# Altium PCB CrypTech.PcbDoc (part 3 of 6)
Units mm, origin at the board's own origin, x right, y up, seen from the top; angles counter-clockwise.
Board outline 99.5 x 122 mm, 8 copper layers (Top, Ground Plane 1, Inner Layer 1, 3V3 Plane, Power Plane, Inner Layer 2, Ground Plane 2, Bottom), stack 1.553 mm thick; 385 components, 302 nets, 2103 pads, 1544 vias.
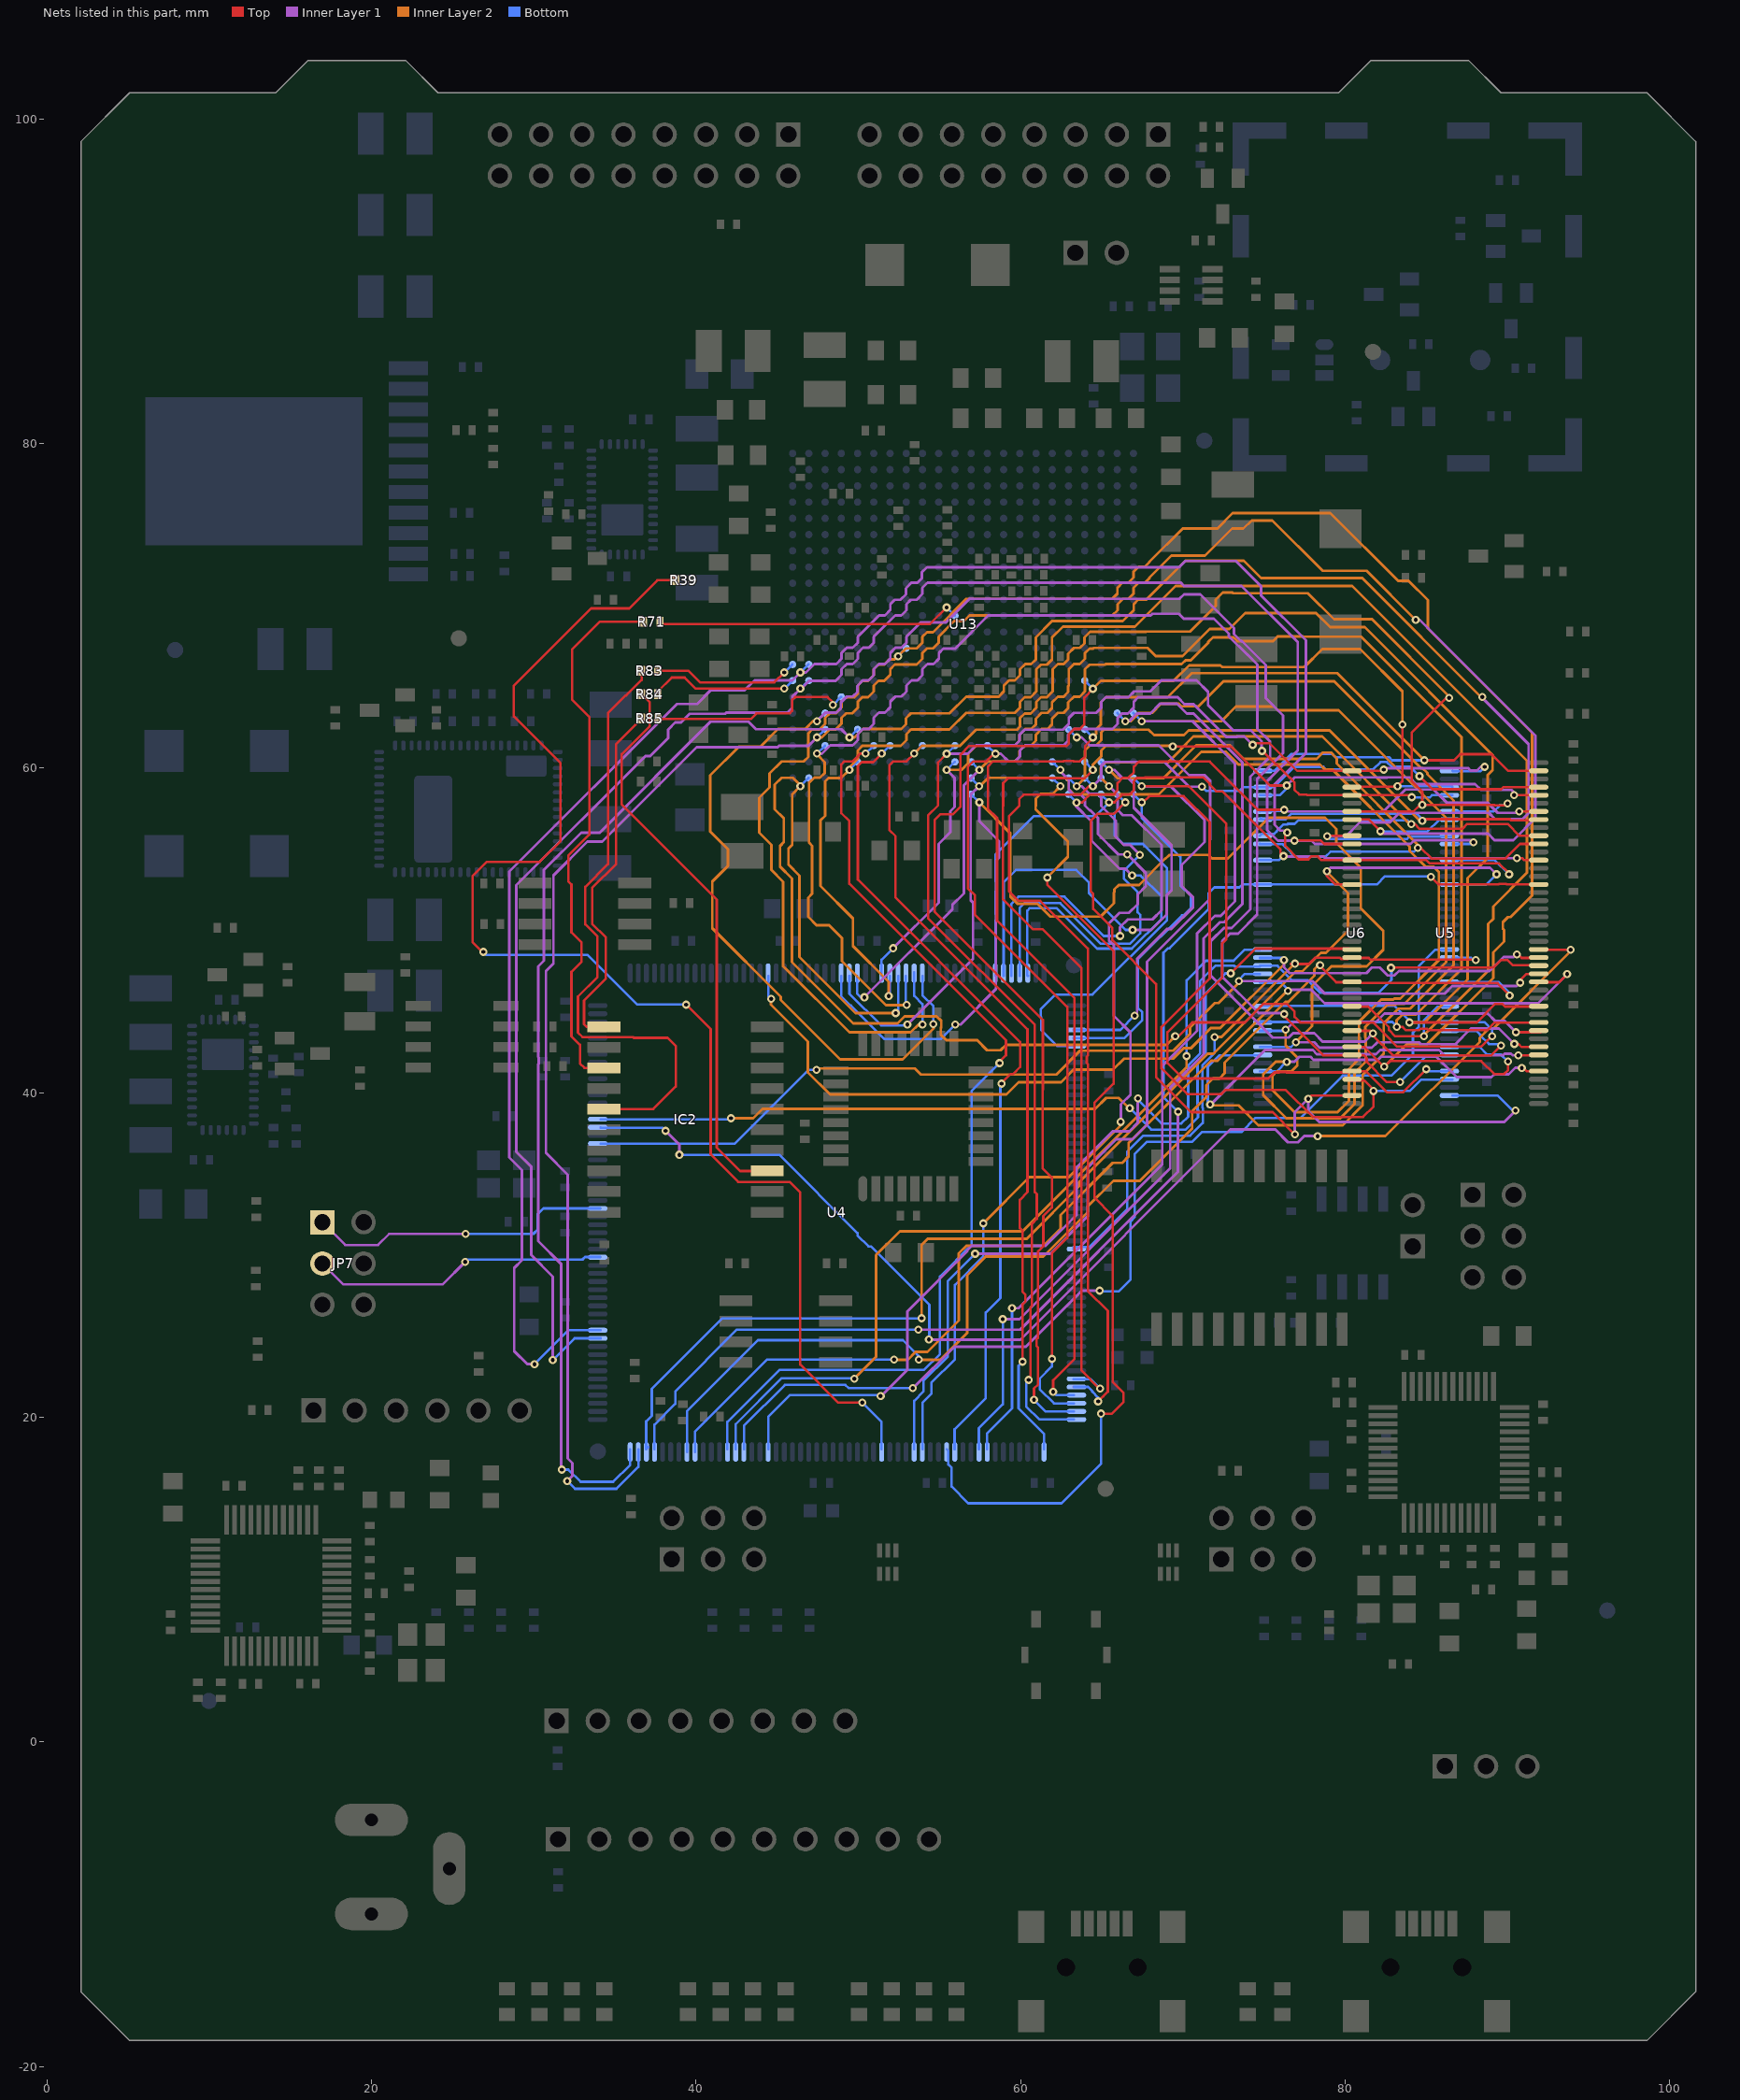
[diagram p9: the nets of this part, all layers, seen from the top]

## Via types
v1: diameter 0.5, hole 0.25, Top to Bottom, tented both sides, 1180 vias
v2: diameter 1, hole 0.5, Top to Bottom, tented both sides, 296 vias
v3: diameter 0.6, hole 0.25, Top to Bottom, tented both sides, 68 vias

## Nets (pads, with @x,y where several pads share a name; then routed paths per layer and width w, separated by ;. In a path a pad name is that pad's centre, name@x,y a point inside that pad or via, vN(x,y) a via of type N, cw(c..) or ccw(c..) an arc to the next point about the centre after c; other vN are vias at no path point) (continued)
FMC_D2: U4.164 U5.5 U6.5 U13.U1 | length 127.5
  Top w0.15: v1(90.879,41.527) 90.998,41.527 91.208,41.317 U5.5@92.1,41.317
  Inner Layer 1 w0.164: v1(59.475,26.725) 59.882,26.725 68.725,35.568 68.725,41.65 70.875,43.8 70.875,49.812 71.963,50.9 72.325,50.9 73.2,51.775 73.2,60.282 70.597,62.885 v1(67.453,62.885) ; v1(76.4,41.9) 76.875,41.9 77.184,42.209 77.866,42.209 78.05,42.025 82.025,42.025 82.209,42.209 85.616,42.209 86.875,40.95 89.018,40.95 89.198,41.13 90.08,41.13 90.475,41.525 90.877,41.525 v1(90.879,41.527)
  Inner Layer 2 w0.164: v1(67.453,62.885) 72.37,62.885 73.267,63.782 75.628,63.782 75.842,63.568 79.589,63.568 86.225,56.932 86.225,48.05 83.662,45.487 83.163,45.487 83.098,45.421 82.601,45.421 81.229,44.05 81.229,43.412 81.275,43.366 81.275,41.9 80.575,41.2 80.575,39.3 79.7,38.425 76.375,38.425 74.95,39.85 74.95,41.125 75.725,41.9 v1(76.4,41.9)
  Bottom w0.15: U4.164@57.937,18.034 57.937,19.012 59.475,20.55 v1(59.475,26.725) ; U13.U1@66.953,63.385 v1(67.453,62.885) ; U6.5@74.74,41.317 75.792,41.317 76.375,41.9 v1(76.4,41.9)
FMC_D3: U4.165 U5.7 U6.7 U13.U2 | length 144.5
  Top w0.15: v1(90.675,42.3) 92.092,42.3 U5.7@92.1,42.308
  Inner Layer 1 w0.164: v1(58.9,26.05) 59.925,26.05 69.218,35.343 69.218,40.311 71.275,42.368 71.275,49.5 72.275,50.5 72.55,50.5 73.675,51.625 73.675,60.35 70.658,63.367 70.232,63.367 69.642,63.957 68.582,63.957 67.992,63.367 67.167,63.367 66.685,62.885 v1(66.453,62.885) ; v1(71.675,39.275) 71.718,39.275 75.063,42.62 78.005,42.62 78.25,42.375 81.905,42.375 82.15,42.62 85.78,42.62 86.1,42.3 89.718,42.3 89.825,42.407 90.225,42.407 90.332,42.3 v1(90.675,42.3)
  Inner Layer 2 w0.164: v1(66.453,62.885) 66.772,62.885 67.29,63.403 68.103,63.403 68.657,63.957 69.743,63.957 69.9,63.8 70.95,63.8 72.5,65.35 79.325,65.35 84.679,59.996 84.761,59.996 85.057,59.7 85.057,59.618 86.675,58 86.675,47.85 83.998,45.173 83.293,45.173 83.228,45.107 83.207,45.107 82.375,44.275 82.375,42.4 81.075,41.1 81.075,39.225 79.85,38 74.65,38 73.432,39.218 71.732,39.218 v1(71.675,39.275)
  Bottom w0.15: U4.165@57.429,18.034 57.429,19.329 58.9,20.8 v1(58.9,26.05) ; U13.U2@65.953,63.385 v1(66.453,62.885) ; v1(71.675,39.275) 71.665,39.275 71.533,39.142 71.533,41.589 72.251,42.308 U6.7@74.74,42.308
FMC_D4: U4.79 U5.8 U6.8 U13.AB11 | length 93.2
  Top w0.15: v1(90.425,43) 90.675,43 90.859,42.816 U5.8@92.1,42.816
  Inner Layer 1 w0.164: v1(55.975,44.2) 56.3,44.2 58.482,46.382 58.482,54.282 58.675,54.475 58.675,55.5 57.453,56.722 v1(57.453,57.885) ; v1(76.954,43.102) 78.098,43.102 78.425,42.775 81.65,42.775 81.977,43.102 84.541,43.102 84.65,42.993 86.787,42.993 87.751,43.957 89.468,43.957 v1(90.425,43)
  Inner Layer 2 w0.164: v1(57.453,57.885) 59.368,55.97 59.368,52.082 59.8,51.65 61.025,51.65 61.825,50.85 64.925,50.85 65.746,51.671 65.746,52.331 65.785,52.37 65.785,52.535 66.05,52.8 67.3,52.8 68.925,54.425 68.95,54.425 69.175,54.65 71.575,54.65 71.8,54.425 72.775,54.425 75.293,56.943 78.757,56.943 79.45,56.25 79.45,55.375 80.968,53.857 80.968,51.357 82.35,49.975 82.35,48.8 81.325,47.775 79.15,47.775 77.947,46.572 77.947,44.096 v1(76.954,43.102)
  Bottom w0.15: U4.79@48.946,47.193 48.946,45.929 49.5,45.375 49.547,45.375 51.622,43.3 55.075,43.3 v1(55.975,44.2) ; U13.AB11@56.953,58.385 v1(57.453,57.885) ; U6.8@74.74,42.816 76.668,42.816 v1(76.954,43.102)
FMC_D5: U4.80 U5.10 U6.10 U13.AA11 | length 102.5
  Top w0.15: v1(90.525,43.725) 92.019,43.725 U5.10@92.1,43.807
  Inner Layer 1 w0.164: v1(53.025,44.2) 57.071,48.246 57.071,51.711 56.925,51.857 56.925,58.37 v1(57.44,58.885) ; v1(76.325,43.875) 76.343,43.875 76.825,44.357 81.907,44.357 82.425,44.875 88.78,44.875 89.23,44.425 89.825,44.425 v1(90.525,43.725)
  Inner Layer 2 w0.164: v1(57.44,58.885) 57.485,58.885 58,59.4 62.75,59.4 62.971,59.179 62.971,58.685 63.254,58.403 63.279,58.403 63.3,58.382 68.507,58.382 71.125,61 72.65,61 73.425,60.225 78.438,60.225 78.745,59.918 79.207,59.918 83.968,55.157 83.968,54.9 84.943,53.925 85.45,53.925 85.775,53.6 85.775,48.175 83.401,45.801 83.033,45.801 82.967,45.735 82.21,45.735 80.849,44.374 80.849,42.074 80.225,41.45 80.225,39.5 79.525,38.8 76.875,38.8 75.525,40.15 75.525,41.05 75.775,41.3 76.675,41.3 77.05,41.675 77.05,42.175 76.325,42.9 v1(76.325,43.875)
  Bottom w0.15: U4.80@49.454,47.193 49.454,46.096 51.4,44.15 52.975,44.15 v1(53.025,44.2) ; U13.AA11@56.94,59.385 U13.AA11@56.947,59.378 ; U13.AA11@56.953,59.385 U13.AA11@56.947,59.378 ; v1(57.44,58.885) U13.AA11@56.947,59.378 ; U6.10@74.74,43.807 v1@76.325,43.807
FMC_D6: U4.81 U5.11 U6.11 U13.Y11 | length 94.7
  Top w0.15: v1(83.175,44.05) 83.543,44.05 83.75,43.843 84.546,43.843 84.653,43.95 85.047,43.95 85.154,43.843 88.741,43.843 89.212,44.315 U5.11@92.1,44.315
  Inner Layer 1 w0.164: v1(50.377,45.877) 55.8,51.3 55.8,51.575 56.507,52.282 56.507,58.938 v1(57.453,59.885)
  Inner Layer 2 w0.164: v1(57.453,59.885) 57.971,60.403 59.653,60.403 59.935,60.685 59.935,61.048 60.29,61.403 60.653,61.403 60.935,61.685 60.935,62.048 61.29,62.403 61.653,62.403 61.935,62.685 61.935,63.048 62.29,63.403 62.653,63.403 62.935,63.685 62.935,64.048 63.29,64.403 63.653,64.403 63.971,64.721 63.971,66.084 64.254,66.367 65.189,66.367 65.225,66.403 69.928,66.403 70.164,66.639 70.489,66.639 71.568,67.718 71.568,67.775 71.85,68.057 73.118,68.057 73.357,67.818 75.553,67.818 75.842,68.107 77.415,68.107 77.429,68.093 80.982,68.093 87.175,61.9 87.175,47.625 84.375,44.825 83.541,44.825 83.175,44.459 v1(83.175,44.05)
  Bottom w0.15: U4.81@49.936,47.193 49.936,46.089 v1@50.225,45.8 ; U13.Y11@56.953,60.385 v1(57.453,59.885) ; U6.11@74.74,44.315 74.74,44.357 82.907,44.357 83.175,44.089 v1(83.175,44.05)
FMC_D7: U4.84 U5.13 U6.13 U13.Y12 | length 96.8
  Top w0.15: v1(83.95,44.325) 88.107,44.325 89.252,45.469 89.687,45.469 89.851,45.305 U5.13@92.1,45.305
  Inner Layer 1 w0.164: v1(52.15,48.9) 54.95,51.7 54.95,55.331 55.675,56.056 55.675,57.348 55.927,57.6 55.927,59.403 v1(55.445,59.885)
  Inner Layer 2 w0.164: v1(55.445,59.885) 56.36,59.885 56.775,60.3 56.775,60.888 57.29,61.403 59.653,61.403 59.935,61.685 59.935,62.048 60.29,62.403 60.653,62.403 60.935,62.685 60.935,63.048 61.29,63.403 61.653,63.403 61.935,63.685 61.935,64.048 62.29,64.403 62.653,64.403 62.935,64.685 62.935,65.048 62.971,65.084 62.971,66.084 63.29,66.403 63.653,66.403 63.971,66.721 63.971,67.084 64.254,67.367 64.489,67.367 64.525,67.403 67.822,67.403 68.325,66.9 69.975,66.9 71.65,68.575 72.865,68.575 73.847,69.557 78.203,69.557 79.08,68.68 81.205,68.68 89.082,60.803 89.082,59.875 88.775,59.568 88.775,54.45 87.542,53.217 87.542,46.983 84.884,44.325 v1(83.95,44.325)
  Bottom w0.15: U4.84@51.435,47.193 51.435,48.185 v1(52.15,48.9) v1@52.15,48.77 ; v1(55.445,59.885) U13.Y12@55.945,60.385 ; U6.13@74.74,45.305 74.782,45.346 83.041,45.346 83.95,44.438 v1(83.95,44.325)
FMC_D8: U4.85 U5.74 U6.74 U13.Y18 | length 100.4
  Top w0.15: U5.74@80.227,45.305 81.42,45.305 82.7,44.025 82.7,43.853 83.078,43.475 v1(84.85,43.475)
  Inner Layer 2 w0.164: v1(51.875,45.95) 51.875,46.825 49.666,49.034 49.666,50.734 47.675,52.725 47.675,56.775 47.958,57.058 47.958,59.183 48.15,59.375 48.941,59.375 v1(49.456,59.889) 49.456,60.056 49.964,60.564 49.964,61.089 50.247,61.372 52.617,61.372 52.961,61.716 52.961,62.089 53.244,62.372 55.614,62.372 56.645,63.403 59.653,63.403 59.971,63.721 59.971,64.084 60.254,64.367 60.617,64.367 60.971,64.721 60.971,66.084 61.254,66.367 61.617,66.367 61.935,66.685 61.935,68.048 62.608,68.721 67.046,68.721 69.543,71.218 80.439,71.218 91.207,60.45 91.207,53.557 89.125,51.475 89.125,50.707 88.812,50.394 88.812,47.512 84.85,43.55 v1(84.85,43.475)
  Bottom w0.15: v1(49.456,59.889) U13.Y18@49.951,60.385 ; v1(51.875,45.95) 51.943,46.018 U4.85@51.943,47.193 ; v1(84.85,43.475) 84.85,44.45 85.7,45.3 86.609,45.3 U6.74@86.614,45.305
FMC_D9: U4.86 U5.76 U6.76 U13.AA21 | length 87.2
  Top w0.15: v1(69.525,43.475) 69.725,43.475 70.575,44.325 73.825,44.325 74.975,45.475 76.4,45.475 76.882,44.993 76.882,44.665 77.233,44.315 80.227,44.315 81.735,44.315 82.468,43.582 82.468,43.575 83.201,42.842 88.376,42.842 89.034,43.5 89.054,43.479 v1(89.054,43.475)
  Inner Layer 2 w0.164: v1(52.3,44.9) 49.825,44.9 46.375,48.35 46.375,53.375 45.693,54.057 45.693,55.043 45.925,55.275 45.925,58.381 v1(46.433,58.89) 46.433,58.942 45.975,59.4 45.271,59.4 44.85,58.979 44.85,57.46 45.407,56.903 45.407,55.432 45.175,55.2 45.175,53.925 45.913,53.187 45.913,48.037 49.675,44.275 52.418,44.275 52.853,44.709 54.827,44.709 55.11,44.427 55.11,44.028 55.082,44 55.082,43.568 55.425,43.225 57.325,43.225 57.932,42.618 58.768,42.618 59.1,42.95 69,42.95 v1(69.525,43.475)
  Bottom w0.15: v1(46.433,58.89) U13.AA21@46.928,59.385 ; v1(52.3,44.9) 52.451,45.051 U4.86@52.451,47.193 ; U6.76@86.614,44.315 86.649,44.35 88.575,44.35 89.054,43.871 v1(89.054,43.475)
FMC_D10: U4.87 U5.77 U6.77 U13.W20 | length 103
  Top w0.15: U5.77@80.227,43.807 v1@81.548,43.807 ; v1(81.711,43.657) 81.711,43.514 82.925,42.3 89,42.3 v1(89.6,42.9)
  Inner Layer 1 w0.164: v1(47.449,60.889) 47.758,60.889 48.276,61.407 49.655,61.407 49.964,61.716 49.964,62.089 50.283,62.408 50.646,62.408 50.955,62.716 50.955,63.089 51.273,63.407 51.637,63.407 51.971,63.742 51.971,64.089 52.289,64.407 52.653,64.407 52.961,64.716 52.961,65.089 53.28,65.407 53.643,65.407 53.952,65.716 53.952,66.089 54.27,66.407 54.634,66.407 54.963,66.737 54.963,67.084 55.246,67.367 55.971,67.367 58.005,69.4 68.018,69.4 68.125,69.507 69.743,69.507 70.05,69.2 71.9,69.2 72.829,68.271 72.829,68.117 73.965,66.981 73.994,66.981 74.593,66.382 74.593,62.415 75.375,61.633 75.375,60.7 74.15,59.475 74.15,51.3 73,50.15 72.525,50.15 71.725,49.35 71.725,47.199 75.531,43.393 76.525,43.393 76.789,43.657 78.093,43.657 78.6,43.15 81.204,43.15 v1(81.711,43.657) v1@81.718,43.657
  Inner Layer 2 w0.164: v1(47.449,60.889) 47.449,60.854 47.931,60.371 47.931,59.69 47.649,59.407 47.285,59.407 46.967,59.089 46.967,55.408 47.157,55.218 47.157,52.257 46.918,52.018 46.918,50.832 47.425,50.325 48.2,50.325 49,49.525 49,48.1 51.7,45.4 v1(52.975,45.4)
  Bottom w0.15: v1(47.449,60.889) U13.W20@47.944,61.385 ; U4.87@52.934,47.193 52.934,45.441 v1(52.975,45.4) ; U6.77@86.614,43.807 88.093,43.807 88.322,43.578 88.322,43.526 88.855,42.993 89.507,42.993 v1(89.6,42.9)
FMC_D11: U4.88 U5.79 U6.79 U13.N15 | length 130.5
  Top w0.15: U5.79@80.227,42.816 81.184,42.816 v1(82.4,41.6) 82.75,41.95 88.385,41.95 89.183,41.152 89.802,41.152 90.025,41.375 v1(90.025,41.925)
  Inner Layer 2 w0.164: v1(53.95,44.2) 53.707,44.2 53.225,43.718 49.457,43.718 45.375,47.8 45.375,53 44.65,53.725 44.65,55.275 43.9,56.025 43.9,58.175 44.536,58.811 44.536,59.665 45.279,60.407 46.633,60.407 46.915,60.69 46.915,62.137 47.15,62.372 47.613,62.372 47.958,62.716 47.958,63.089 48.24,63.372 48.603,63.372 48.974,63.742 48.974,64.089 49.256,64.371 49.775,64.371 49.964,64.561 49.964,65.089 50.247,65.371 50.61,65.371 50.955,65.716 50.955,66.089 51.237,66.372 51.601,66.372 51.919,66.69 52.253,66.69 v1(52.453,66.89) 52.935,67.372 53.607,67.372 53.952,67.716 53.952,68.089 54.234,68.372 54.598,68.372 56.648,70.422 65.648,70.422 65.967,70.74 65.967,71.104 66.276,71.413 66.648,71.413 66.967,71.731 66.967,72.094 67.276,72.403 67.648,72.403 67.931,72.686 67.931,72.706 69.993,74.768 72.124,74.768 73.07,75.714 79.086,75.714 83.265,71.535 83.904,71.535 85.089,70.35 85.089,68.607 91.521,62.175 91.521,52.139 90.2,50.818 90.036,50.818 89.718,50.5 89.718,50.1 89.782,50.036 89.782,49.3 89.126,48.645 89.126,47.07 85.05,42.993 83.793,42.993 v1(82.4,41.6)
  Bottom w0.15: v1(52.453,66.89) U13.N15@52.948,67.385 ; U4.88@53.442,47.425 53.442,47.193 53.442,45.958 53.95,45.45 v1(53.95,44.2) ; U6.79@86.614,42.816 88.29,42.816 88.756,42.35 89.6,42.35 v1(90.025,41.925)
FMC_D12: U4.89 U5.80 U6.80 U13.U20 | length 113.6
  Top w0.15: v1(76.25,44.85) 76.25,44.7 78.642,42.308 81.142,42.308 81.325,42.125 81.325,41.9 82.575,40.65 v1(83.375,40.65)
  Inner Layer 1 w0.164: v1(47.449,62.89) 47.967,63.407 48.639,63.407 48.922,63.69 48.922,64.037 49.292,64.407 49.655,64.407 49.938,64.69 49.938,65.063 50.278,65.403 50.641,65.403 50.955,65.716 50.955,66.089 51.273,66.407 51.637,66.407 51.971,66.742 51.971,67.089 52.289,67.408 52.653,67.408 52.961,67.716 52.961,68.089 53.847,68.975 55.4,68.975 56.847,70.422 59.648,70.422 59.651,70.425 60.246,70.425 60.249,70.422 69.787,70.422 70.072,70.707 71.068,70.707 73.143,68.632 73.143,68.247 73.572,67.818 73.632,67.818 75.1,66.35 75.1,64.325 76.175,63.25 76.175,60.925 74.575,59.325 74.575,50.975 73.4,49.8 72.9,49.8 72.418,49.318 72.418,47.157 74.675,44.9 v1@76.25,44.9
  Inner Layer 2 w0.164: v1(47.449,62.89) 47.215,62.89 46.732,62.408 45.057,62.408 43.975,61.325 42.65,61.325 40.875,59.55 40.875,56.089 41.978,54.986 41.978,53.989 41,53.011 41,50.125 45.218,45.907 45.218,45.7 48.868,42.05 52.732,42.05 54.628,43.946 v1(54.628,44.227)
  Bottom w0.15: v1(47.449,62.89) U13.U20@47.944,63.385 ; U4.89@53.95,47.193 53.95,46 54.628,45.322 v1(54.628,44.227) ; v1(83.375,40.65) 85.033,42.308 U6.80@86.614,42.308
FMC_D13: U4.108 U5.82 U6.82 U13.AA1 | length 65.9
  Top w0.15: v1(67.453,58.885) 70.365,58.885 72.675,56.575 72.675,49.457 72.418,49.2 72.418,47.1 69.05,43.732 69.05,41.825 70.001,40.874 75.26,40.874 75.631,41.245 75.924,41.245 75.953,41.275 76.347,41.275 76.376,41.245 80.155,41.245 80.227,41.317 81.283,41.317 82.575,40.025 83.575,40.025 v1(85,41.45)
  Inner Layer 1 w0.164: v1(67.025,44.75) 67.175,44.9 67.175,48.25 69.018,50.093 69.293,50.093 70.625,51.425 70.625,52.025 69.925,52.725 69.925,54.025 71.332,55.432 71.332,56.793 69.275,58.85 67.488,58.85 v1(67.453,58.885)
  Bottom w0.15: U4.108@63.271,43.866 66.141,43.866 v1(67.025,44.75) ; U13.AA1@66.953,59.385 v1(67.453,58.885) ; v1(85,41.45) 85.133,41.317 U6.82@86.614,41.317
FMC_D14: U4.109 U5.83 U6.83 U13.AB1 | length 65.8
  Top w0.15: v1(67.453,57.885) 67.535,57.885 67.925,58.275 70.05,58.275 71.65,56.675 71.65,47.025 68.675,44.05 68.675,41.5 70.258,39.917 72.304,39.917 72.31,39.923 72.377,39.923 72.628,40.175 76.325,40.175 78,38.5 81.1,38.5 81.75,39.15 v1(81.75,40.1) 81.75,40.191 81.191,40.75 80.286,40.75 U5.83@80.227,40.809
  Bottom w0.15: U4.109@63.271,43.358 66.375,43.358 67.5,44.483 67.5,44.947 67.225,45.222 67.225,48.2 69.95,50.925 70.05,50.925 70.5,51.375 70.5,52.125 69.85,52.775 69.85,54.528 67.453,56.925 v1(67.453,57.885) U13.AB1@66.953,58.385 ; v1(81.75,40.1) 83.975,40.1 84.684,40.809 U6.83@86.614,40.809
FMC_D15: U4.110 U5.85 U6.85 U13.AB2 | length 77.6
  Top w0.15: v1(66.453,57.885) 65.744,57.175 64.742,57.175 64.328,56.761 64.328,52.402 64.475,52.255 64.475,51.325 65.653,50.147 65.653,49.397 68.35,46.7 68.35,40.95 70.5,38.8 75.525,38.8 v1(76.9,37.425) ; v1(77.725,39.625) 77.919,39.819 U5.85@80.227,39.819
  Inner Layer 1 w0.164: v1(76.9,37.425) 76.9,38.8 v1(77.725,39.625) 77.725,38.875 78.4,38.2 89.8,38.2 v1(90.5,38.9)
  Bottom w0.15: U4.110@63.271,42.875 62.25,42.875 61.275,43.85 61.275,44.653 61.25,44.678 61.25,45.15 62.142,46.042 64.437,46.042 69.025,50.63 69.025,53.825 67.525,55.325 66.319,55.325 65.794,55.85 65.794,57.225 v1(66.453,57.885) U13.AB2@65.953,58.385 ; U6.85@86.614,39.819 89.406,39.819 90.325,38.9 v1(90.5,38.9)
FMC_D16: U4.98 U5.31 U6.31 U13.AB3 | length 48
  Top w0.15: v1(65.453,57.885) 65.782,57.885 66.257,58.36 66.71,58.36 66.978,58.628 66.978,59.203 67.185,59.41 67.65,59.41 67.665,59.425 71.272,59.425 71.65,59.047 71.65,58.978 72.053,58.575 72.425,58.575 76.003,54.997 76.003,54.772 v1(76.2,54.575) ; v1(90.575,54.45) 90.9,54.45 91.024,54.326 U5.31@92.1,54.326
  Inner Layer 1 w0.164: v1(76.2,54.575) 76.233,54.542 77.887,54.542 77.904,54.56 78.647,54.56 78.757,54.45 v1(90.575,54.45)
  Bottom w0.15: U4.98@58.445,47.193 58.45,47.198 58.45,50.603 58.475,50.628 58.475,51.022 58.45,51.047 58.45,52.4 58.475,52.425 58.475,53.025 58.45,53.05 58.45,54.65 58.603,54.802 58.603,54.828 60.806,57.031 64.6,57.031 v1(65.453,57.885) U13.AB3@64.953,58.385 ; U6.31@74.74,54.326 75.901,54.326 76.15,54.575 v1(76.2,54.575)
FMC_D17: U4.99 U5.33 U6.33 U13.Y3 | length 72.1
  Top w0.15: v1(84.475,55.075) 84.675,55.075 85.325,54.425 89.878,54.425 90.78,55.326 U5.33@92.1,55.326
  Inner Layer 1 w0.164: v1(65.453,59.885) 65.772,59.885 66.254,59.403 66.617,59.403 66.971,59.048 66.971,57.554 69.3,55.225 69.3,52.475 69,52.175 69,50.975 68.05,50.025 v1(66.9,50.025)
  Inner Layer 2 w0.164: v1(65.453,59.885) 65.971,59.367 68.792,59.367 70.825,61.4 72.925,61.4 73.757,60.568 78.243,60.568 78.625,60.95 79.132,60.95 79.482,60.6 79.482,60.268 84.475,55.275 v1(84.475,55.075)
  Bottom w0.15: U4.99@58.953,47.193 58.953,52.953 59.728,53.728 63.422,53.728 64.225,52.925 64.225,52.275 66.475,50.025 v1(66.9,50.025) ; U13.Y3@64.953,60.385 v1(65.453,59.885) ; U6.33@74.74,55.326 74.767,55.3 76.147,55.3 76.675,54.772 76.675,54.75 76.876,54.549 77.904,54.549 77.907,54.553 78.301,54.553 78.304,54.549 78.799,54.549 79.1,54.85 84.25,54.85 v1(84.475,55.075)
FMC_D18: U4.100 U5.34 U6.34 U13.AA3 | length 68.2
  Top w0.15: v1(84.075,56.55) 84.285,56.55 84.575,56.26 87.235,56.26 87.525,56.55 90.024,56.55 90.749,55.825 92.099,55.825 U5.34@92.1,55.826
  Inner Layer 1 w0.164: v1(65.453,58.885) 65.971,58.367 65.971,57.682 65.975,57.678 65.975,57.425 66.3,57.1 66.85,57.1 68.682,55.268 68.682,51.232 68.125,50.675 66.603,50.675 66.128,50.2 v1(66.128,49.652)
  Inner Layer 2 w0.164: v1(65.453,58.885) 64.925,59.413 64.925,59.675 64.935,59.685 64.935,60.048 65.254,60.367 69.098,60.367 69.857,61.125 69.857,61.157 70.639,61.939 78.587,61.939 84.075,56.451 v1(84.075,56.55)
  Bottom w0.15: U4.100@59.436,47.193 59.436,51.636 59.875,52.075 62.7,52.075 65.123,49.652 v1(66.128,49.652) ; U13.AA3@64.953,59.385 v1(65.453,58.885) ; U6.34@74.74,55.826 74.863,55.949 75.634,55.949 75.765,56.081 75.765,56.09 76.201,56.526 76.447,56.526 76.484,56.563 76.888,56.563 77.1,56.775 83.85,56.775 84.069,56.556 v1@84.279,56.556
FMC_D19: U4.101 U5.36 U6.36 U13.AA5 | length 70.7
  Top w0.15: v1@84.75,56.858 v1@84.754,56.854 ; v1(84.754,56.753) v1@84.754,56.854 ; U5.36@92.1,56.826 92.049,56.775 90.224,56.775 90.149,56.85 84.9,56.85 84.829,56.779 v1@84.754,56.854